# KiCad board minputer.kicad_pcb (continued)
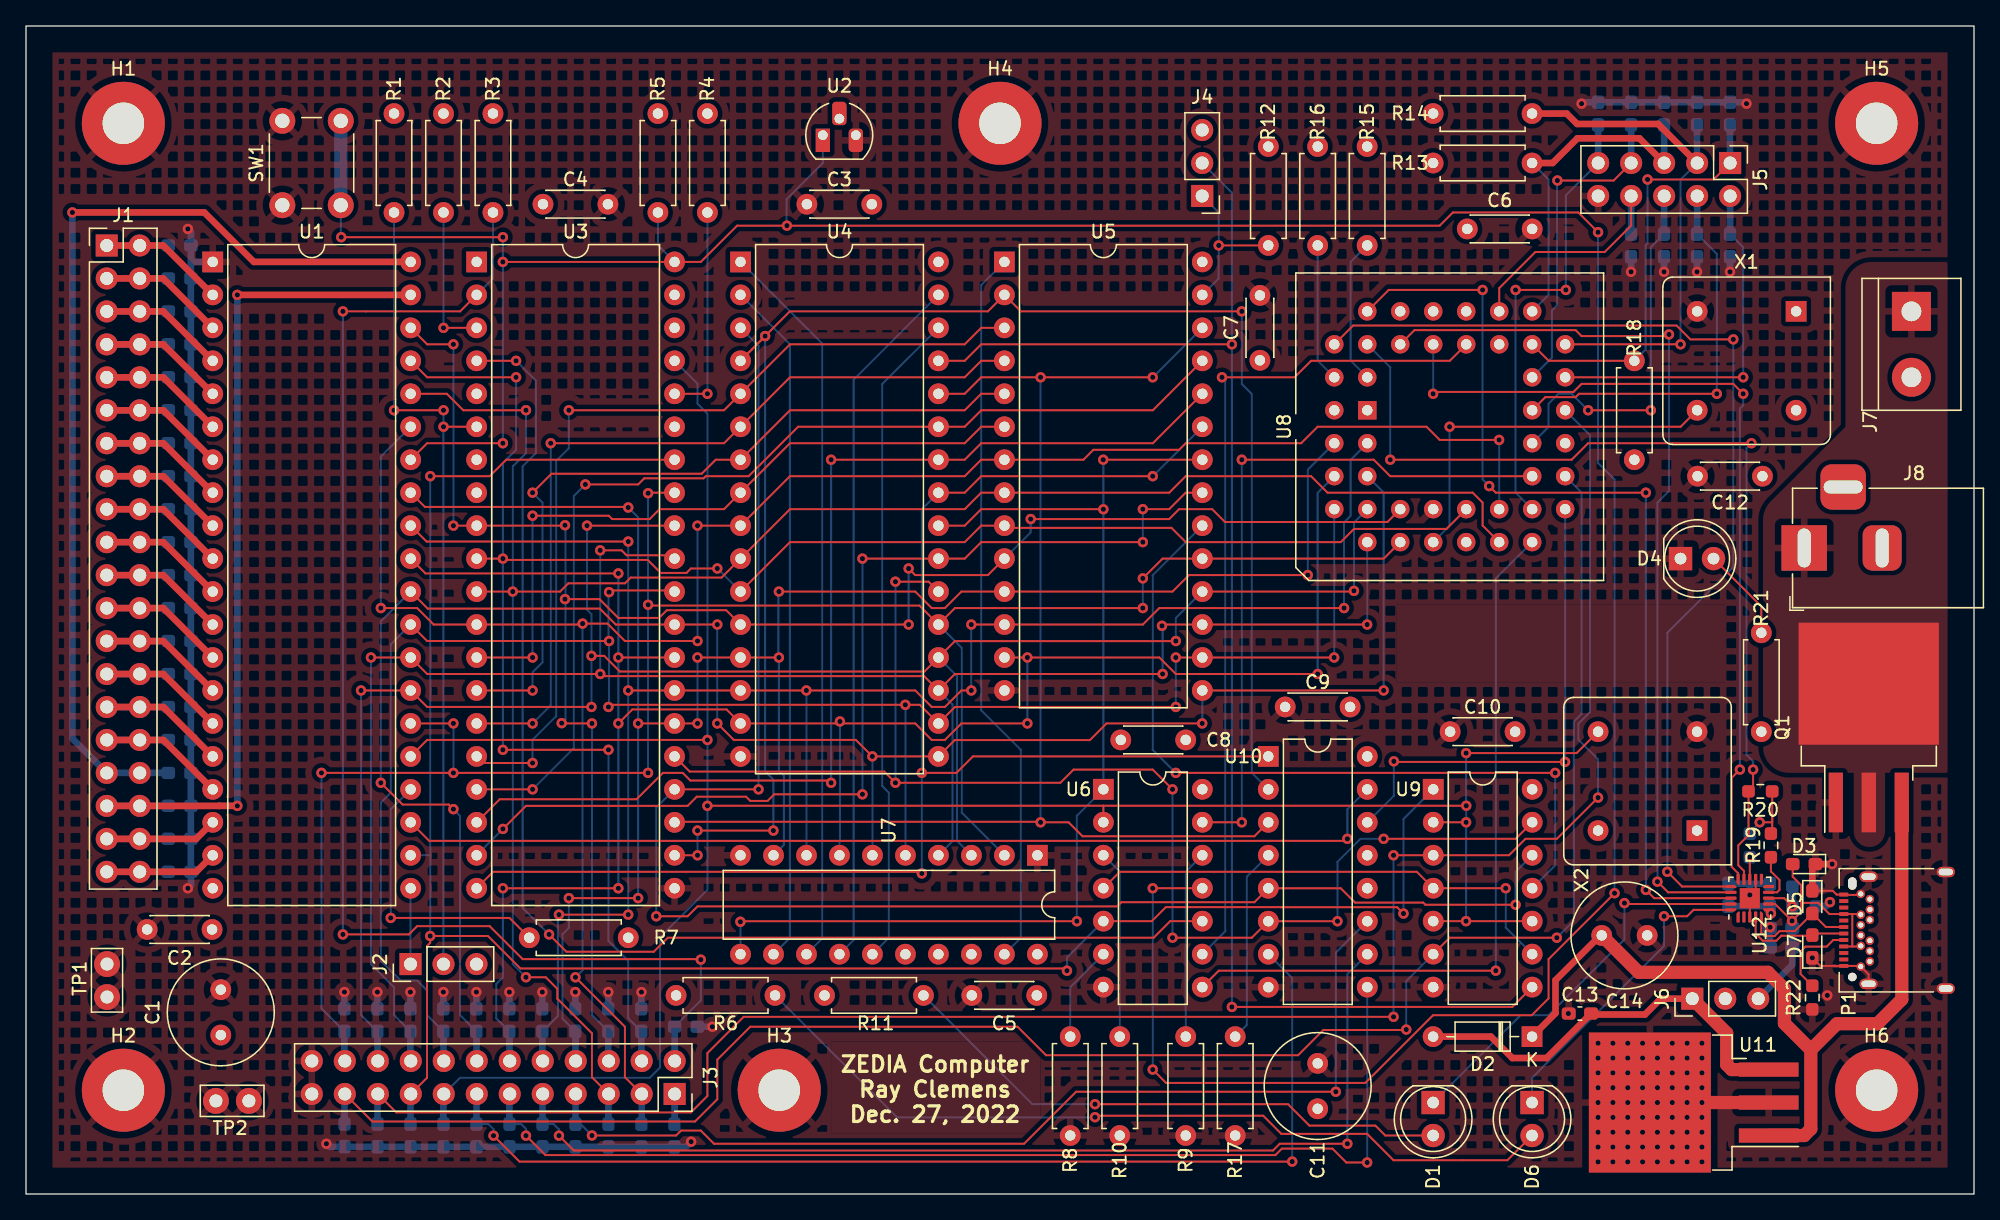
[diagram p0: board, top side]
## Nets
/3V3: C15.1 C17.1 U12.6
GND: C1.2 C2.2 C3.2 C4.2 C5.2 C6.2 C7.2 C8.2 C9.2 C10.2 C11.2 C12.2 C13.2 C14.2 C15.2 C16.2 C17.2 C18.2 D3.1 D4.1 D5.1 D7.1 D8.2 D9.2 D10.2 D11.2 D12.2 D13.2 D14.2 D15.2 D16.2 D17.1 D18.1 D19.1 D20.1 D21.1 D22.1 D23.1 D24.1 D25.1 D26.1 D27.1 D28.1 D29.1 D30.1 D31.1 D32.1 D33.1 D34.1 D35.1 D36.1 D37.1 D38.1 D39.1 D40.1 D41.1 D42.1 D43.1 D44.1 D45.1 D46.1 D47.1 D48.1 D49.1 D50.1 D51.1 D52.1 D53.1 D54.1 D55.1 D56.1 D57.1 D58.1 H1.1 H2.1 H3.1 H4.1 H5.1 H6.1 J3.23 J3.24 J5.10 J7.2 J8.2 P1.A1 P1.A12 P1.B1 P1.B12 P1.S1 Q1.1 R8.2 R9.2 R10.2 R17.2 R22.1 R23.2 SW1.1 TP1.1 TP2.1 U1.1 U2.3 U3.21 U4.16 U5.14 U6.7 U7.1 U7.10 U8.12 U8.22 U9.7 U10.8 U11.2 U12.3 U12.12 U12.21 X1.4 X2.4
VDD: C1.1 C2.1 C3.1 C4.1 C5.1 C6.1 C7.1 C8.1 C9.1 C10.1 C11.1 C12.1 D23.2 J3.1 J6.2 R1.1 R2.1 R3.1 R4.1 R5.1 R6.1 R7.1 R11.1 R12.1 R13.1 R14.1 R15.1 R16.1 R18.1 R19.1 R20.1 R21.1 R24.1 R25.1 U1.20 U2.2 U3.8 U4.32 U5.28 U6.14 U7.20 U8.33 U8.44 U9.14 U10.16 X1.8 X2.8
//RDY: D19.2 J3.2 R3.2 U3.2
/A0: D22.2 J3.6 U1.38 U3.9 U4.12 U5.10 U8.10
/A1: D20.2 J3.4 U1.37 U3.10 U4.11 U5.9 U8.14
/A2: D18.2 J3.5 U1.36 U3.11 U4.10 U5.8 U8.15
/A3: D21.2 J3.3 U1.35 U3.12 U4.9 U5.7 U8.16
/A4: U3.13 U4.8 U5.6
/A5: U3.14 U4.7 U5.5
/A6: U3.15 U4.6 U5.4
/A7: U3.16 U4.5 U5.3
/A8: U3.17 U4.27 U5.25
/A9: U3.18 U4.26 U5.24
/A10: U3.19 U4.23 U5.21
/A11: U3.20 U4.25 U5.23 U10.1
/A12: U3.22 U4.4 U5.2 U10.2
/A13: U3.23 U4.28 U5.26 U10.3
/A14: U3.24 U4.3 U9.12 U10.5
/A15: U3.25 U4.22 U9.13 U10.6
/AUXCSB0: D25.2 J3.7 U10.11
/AUXCSB1: D24.2 J3.9 U10.10
/AUXCSB2: D17.2 J3.11 U10.9
/AUXCSB3: D27.2 J3.13 U10.7
/B0: U4.2 U7.12
/B1: U4.1 U7.13
/B2: U4.31 U7.14
/B3: U4.30 U7.15
/B4: U7.16
/B5: U7.17
/B6: U7.18
/B7: U5.1 U7.19
/D0: D26.2 J3.8 U1.33 U3.26 U4.13 U5.11 U7.9 U8.2
/D1: D28.2 J3.10 U1.32 U3.27 U4.14 U5.12 U7.8 U8.3
/D2: D33.2 J3.12 U1.31 U3.28 U4.15 U5.13 U7.7 U8.4
/D3: D29.2 J3.14 U1.30 U3.29 U4.17 U5.15 U7.6 U8.5
/D4: D34.2 J3.16 U1.29 U3.30 U4.18 U5.16 U7.5 U8.6
/D5: D38.2 J3.18 U1.28 U3.31 U4.19 U5.17 U7.4 U8.7
/D6: D35.2 J3.20 U1.27 U3.32 U4.20 U5.18 U7.3 U8.8
/D7: D36.2 J3.22 U1.26 U3.33 U4.21 U5.19 U7.2 U8.9
/IO.CA1: D51.2 J1.33 J1.34 U1.40
/IO.CA2: D56.2 J1.35 J1.36 U1.39
/IO.CB1: D55.2 J1.37 J1.38 U1.18
/IO.CB2: D53.2 J1.39 J1.40 U1.19
/IO.PA0: D47.2 J1.1 J1.2 U1.2
/IO.PA1: D44.2 J1.3 J1.4 U1.3
/IO.PA2: D40.2 J1.5 J1.6 U1.4
/IO.PA3: D45.2 J1.7 J1.8 U1.5
/IO.PA4: D42.2 J1.9 J1.10 U1.6
/IO.PA5: D48.2 J1.11 J1.12 U1.7
/IO.PA6: D43.2 J1.13 J1.14 U1.8
/IO.PA7: D46.2 J1.15 J1.16 U1.9
/IO.PB0: D39.2 J1.17 J1.18 U1.10
/IO.PB1: D41.2 J1.19 J1.20 U1.11
/IO.PB2: D57.2 J1.21 J1.22 U1.12
/IO.PB3: D50.2 J1.23 J1.24 U1.13
/IO.PB4: D58.2 J1.25 J1.26 U1.14
/IO.PB5: D52.2 J1.27 J1.28 U1.15
/IO.PB6: D49.2 J1.29 J1.30 U1.16
/IO.PB7: D54.2 J1.31 J1.32 U1.17
/IRQB: U3.4 U6.10
/NMIB: J2.2 R1.2 U3.6
/PHI1: U4.24 U5.22 U6.1 U7.11
/PHI2: D30.2 J3.15 U1.25 U3.37 U6.2 U9.2 U9.5 U9.10 X2.5
/PWR_IN: J7.1 J8.1 Q1.2
/RBW: U6.4 U9.4 U9.9
/RDB: D31.2 J3.19 U8.24 U9.3
/RES: U6.13 U8.21
/RESB: R5.2 SW1.2 U1.34 U2.1 U3.40 U6.11
/RWB: D37.2 J3.17 U1.22 U3.34 U6.5 U9.1
/UARTCSB: U8.18 U10.14
/USB_D+: D7.2 P1.A6 U12.4
/USB_D-: D5.2 P1.A7 U12.5
/VIACSB: U1.23 U10.15
/WRB: D32.2 J3.21 U8.20 U9.6
/~{ROM_CS}: U5.20 U9.11
/~{WE}: J4.2 U4.29 U9.8
Net-(C14-Pad1): C16.1 C18.1 D3.2 J6.3 P1.A4 P1.A9 P1.B4 P1.B9 U12.7
Net-(D42-Pad1): D6.1 U12.20
Net-(D42-Pad2): D6.2 R6.2
Net-(D43-Pad1): D1.1 U12.19
Net-(D43-Pad2): D1.2 R11.2
Net-(D44-Pad1): D12.1 J5.1 R18.2 U8.30
Net-(D45-Pad1): D11.1 J5.3 R14.2 U8.28
Net-(D46-Pad1): D10.1 J5.5 R13.2 U8.29
Net-(D47-Pad1): D9.1 J5.7 U8.27
Net-(D48-Pad1): D8.1 J5.9 U8.19
Net-(D49-Pad2): D4.2 R21.2
Net-(D50-Pad1): D16.1 J5.8 U8.31
Net-(D51-Pad1): D13.1 J5.6 U8.23
Net-(D52-Pad1): D15.1 J5.4 U8.25
Net-(D53-Pad1): D14.1 J5.2 U8.26
Net-(J2-Pad1): J4.1 R12.2 U5.27
Net-(J3-Pad1): J2.1 U1.21
Net-(J6-Pad1): C13.1 D2.2 J6.1 U11.3
Net-(P1-PadA5): P1.A5 R22.2
Net-(R2-Pad1): R17.1 U10.4
Net-(R4-Pad2): R2.2 U3.3
Net-(R6-Pad2): R4.2 U3.36
Net-(R8-Pad1): R8.1 U6.6
Net-(R9-Pad1): R10.1 U6.3
Net-(R10-Pad2): R7.2 U1.24
Net-(R11-Pad1): R9.1 U6.12
Net-(R12-Pad2): R16.2 U8.42
Net-(R14-Pad2): R15.2 U8.43
Net-(R19-Pad2): R20.2 U8.41 U12.14
Net-(R20-Pad2): R24.2 U12.13
Net-(R21-Pad2): R19.2 U12.9
Net-(R23-Pad2): R23.1 R25.2 U12.8
Net-(U10-Pad11): U8.11 X1.5
Net-(U10-Pad17): U6.8 U8.17
Net-(U10-Pad34): U6.9 U8.34
Net-(U10-Pad36): U8.36 U12.15
Net-(U10-Pad38): U8.38 U12.17
Net-(U10-Pad39): U8.39 U12.18
Net-(U10-Pad40): U8.40 U12.16
Net-(U12-Pad1): C14.1 D2.1 Q1.3 U11.1

Pads without a net: J2 3; J4 3; J8 3; P1 A2 A3 A8 A10 A11 B2 B3 B5 B6 B7 B8 B10 B11; U3 1 5 7 35 38 39; U8 1 13 32 35 37; U10 12 13; U12 1 2 10 11; X1 1; X2 1

## Via types
v1: diameter 0.8, hole 0.4, Top to Bottom, 316 vias

## Routing (per net, layer and track width the routed paths; a pad name or vN(x,y) marks a point on that pad's centre or on a via; arc(x,y) is an arc through that point)
/3V3: length 4
  Top w0.152: v1(134.36,21.62) 134.18,21.8 U12.6
  Bottom w0.152: v1(134.36,21.62) 134.36,22.11
  Bottom w0.508: C17.1 C15.1
GND: length 142.2
  Top w0.152: P1.A12 139.42,23.07 139.13,23.36 D5.1 ; v1(137.55,18.2) 138.17,17.57 P1.A1 141.23,17.57 ; U12.12 133.18,23.5 ; 141.2,23.05 139.99,23.05 ; P1.B12 141.88,16.92 P1.S1 ; U12.3 v1(132.73,23.05) ; C13.2 v1(118.76,13.91)
  Top w0.508: v1(139.07,25.42) D3.1 137.55,25.18 D5.1
  Top w1.016: U11.2 U11.2
  Bottom w0.508: v1(12.47,74.36) 12.7,74.12 D47.1 D53.1 12.7,23.8 v1(12.47,23.56) ; D14.2 v1(131.21,71.06) ; v1(132.73,23.05) 132.73,23.81 132.63,23.91 ; v1(132.48,84.01) 132.37,84.12 D12.2 D8.2 119.89,84.12 v1(119.78,84.01) ; D34.1 v1(32.14,15.56) ; D38.1 v1(29.6,15.56) ; D35.1 v1(27.06,15.56) ; 132.63,23.91 C15.2 ; 132.63,23.91 C17.2 ; v1(23.13,3.88) 23.37,3.64 50.82,3.64 v1(51.22,4.03) ; D33.1 v1(37.22,15.56) ; D36.1 v1(24.52,15.56) ; 47.39,14.29 v1(47.39,15.56) ; D15.2 v1(128.67,71.06) ; D16.2 v1(123.59,71.06) ; D26.1 v1(42.3,15.56) ; D28.1 v1(39.76,15.56) ; C16.2 134.28,20.54 ; D29.1 v1(34.68,15.56) ; D13.2 v1(126.13,71.06) ; 12.95,71.82 U1.1 ; D19.1 v1(52.85,12.89) ; D22.1 v1(44.84,15.56)
  vias: v1(121.05,11.62) v1(121.05,10.48) v1(121.05,9.34) v1(121.05,8.19) v1(121.05,7.05) v1(121.05,5.91) v1(121.05,4.76) v1(121.05,3.62) v1(121.05,2.48) v1(122.19,11.62) v1(122.19,10.48) v1(122.19,9.34) v1(122.19,8.19) v1(122.19,7.05) v1(122.19,5.91) v1(122.19,4.76) v1(122.19,3.62) v1(122.19,2.48) v1(123.34,11.62) v1(123.34,10.48) v1(123.34,9.34) v1(123.34,8.19) v1(123.34,7.05) v1(123.34,5.91) v1(123.34,4.76) v1(123.34,3.62) v1(123.34,2.48) v1(124.48,11.62) v1(124.48,10.48) v1(124.48,9.34) v1(124.48,8.19) v1(124.48,7.05) v1(124.48,5.91) v1(124.48,4.76) v1(124.48,3.62) v1(124.48,2.48) v1(125.62,11.62) v1(125.62,10.48) v1(125.62,9.34) v1(125.62,8.19) v1(125.62,7.05) v1(125.62,5.91) v1(125.62,4.76) v1(125.62,3.62) v1(125.62,2.48) v1(126.76,11.62) v1(126.76,10.48) v1(126.76,9.34) v1(126.76,8.19) v1(126.76,7.05) v1(126.76,5.91) v1(126.76,4.76) v1(126.76,3.62) v1(126.76,2.48) v1(127.91,11.62) v1(127.91,10.48) v1(127.91,9.34) v1(127.91,8.19) v1(127.91,7.05) v1(127.91,5.91) v1(127.91,4.76) v1(127.91,3.62) v1(127.91,2.48) v1(129.05,11.62) v1(129.05,10.48) v1(129.05,9.34) v1(129.05,8.19) v1(129.05,7.05) v1(129.05,5.91) v1(129.05,4.76) v1(129.05,3.62) v1(129.05,2.48) v1(134.3,20.56) v1(138.7,15.31)
VDD: length 9.6
  Top w0.152: R20.1 134.46,29.33 ; 134.46,29.33 134.46,27.87 R19.1 ; 134.46,29.33 134.46,28.64 v1(133.5,28.64)
  Bottom w0.152: v1(133.5,28.64) 132.73,27.88 R24.1
  Bottom w0.508: J3.1 49.95,5.41 ; v1(138.91,22.49) 138.58,22.16 R25.1
//RDY: length 103.2
  Top w0.152: v1(51.96,18.06) 51.92,18.1 38.25,18.1 35.71,20.64 30.12,20.64 29.48,20 v1(24.4,20) ; v1(24.4,68.01) 33.43,68.01 U3.2
  Bottom w0.152: v1(24.4,68.01) v1(24.4,20) ; U3.2 35.96,70.54 R3.2 ; v1(51.96,18.06) 51.96,14.91 D19.2
  Bottom w0.508: J3.2 49.95,12.89 D19.2
/A0: length 144.4
  Top w0.152: U5.10 74.07,47.69 68.47,47.69 v1(67.96,48.2) ; v1(41.25,36.28) 41.27,36.26 v1(43.58,36.26) ; U1.38 30.89,65.47 v1(32.91,65.47) ; U8.10 104.83,51.78 92.32,51.78 91.33,52.77 88.79,52.77 88.03,52.01 v1(77.36,52.01) ; v1(67.96,43.88) U4.12 53.91,44.99 49.35,44.99 48.75,44.39 45.61,44.39 44.16,45.84 v1(41.5,45.84) ; v1(32.91,51.5) U3.9 41.47,51.5 v1(41.5,51.53)
  Bottom w0.152: v1(43.58,36.26) 43.58,13.79 D22.2 ; v1(41.5,51.53) 41.55,51.49 41.55,45.88 v1(41.5,45.84) 41.55,45.79 41.55,36.58 v1(41.25,36.28) ; v1(77.36,52.01) 77.36,50.98 U5.10 ; v1(67.96,43.88) v1(67.96,48.2) ; v1(32.91,51.5) v1(32.91,65.47)
  Bottom w0.508: D22.2 44.84,10.24
/A1: length 151.9
  Top w0.152: U4.11 58.83,50.23 72.28,50.23 73.55,51.5 U5.9 ; U3.10 v1(36.72,48.96) 36.82,48.86 47.87,48.86 48.88,47.85 50.86,47.85 51.2,48.2 v1(53.23,48.2) ; v1(37.74,62.93) 30.89,62.93 U1.37 ; U8.14 109.38,51.25 102.25,51.25 101.24,50.23 89.3,50.23 88.2,51.33 75.51,51.33 ; v1(44.85,34.23) v1(36.72,34.23)
  Bottom w0.152: v1(44.85,34.23) 44.85,19.5 46.37,17.97 46.37,13.54 D20.2 ; v1(53.23,48.2) 53.24,48.2 U4.11 ; v1(36.72,34.23) v1(36.72,48.96) 36.72,56.33 37.74,57.34 v1(37.74,62.93)
  Bottom w0.508: 47.39,10.23 47.39,12.52
/A2: length 154.3
  Top w0.152: v1(38.5,60.39) 33.67,60.39 32.4,61.66 U1.36 ; U3.11 v1(37.48,46.42) 41.13,46.42 41.76,47.06 46.12,47.06 46.56,47.5 53.56,47.5 U4.10 58.83,52.77 72.28,52.77 73.55,54.04 U5.8 88.03,54.04 89.3,55.31 98.95,55.31 100.22,54.04 111.4,54.04 112.16,53.28 112.16,51.51 U8.15 ; v1(38.5,16.7) 40.02,16.7 40.91,15.81 40.91,15.05 43.58,12.38 43.58,9 J3.5
  Bottom w0.152: v1(38.5,16.7) 37.48,17.72 v1(37.48,46.42) 37.48,56.07 38.5,57.09 v1(38.5,60.39)
  Bottom w0.508: 44.85,7.69 44.85,5.4
/A3: length 160.8
  Top w0.152: v1(42.31,16.7) 46.12,12.89 46.12,9 J3.3 ; v1(51.71,42.61) 46.12,42.61 44.78,43.95 v1(42.86,43.95) 42.79,43.88 U3.12 31.39,43.88 30.12,45.15 v1(27.32,45.15) ; v1(51.71,51.5) U4.9 58.83,55.31 72.28,55.31 73.55,56.58 U5.7 81.43,56.58 82.19,57.34 88.79,57.34 89.3,57.85 98.19,57.85 99.46,59.12 107.84,59.12 108.86,58.1 v1(113.43,58.1)
  Bottom w0.152: v1(51.71,51.5) v1(51.71,42.61) ; U8.16 113.44,58.09 v1(113.43,58.1) ; U1.35 27.32,56.82 v1(27.32,45.15) ; v1(42.31,16.7) 42.86,17.25 v1(42.86,43.95)
  Bottom w0.508: J3.3 47.41,5.42
/A4: length 54.6
  Top w0.152: U3.13 v1(39.01,41.34) ; v1(39.01,52.26) 44.88,52.26 45.13,52.01 48.03,52.01 48.79,52.77 53.75,52.77 U4.8 58.83,57.85 72.28,57.85 73.55,59.12 U5.6
  Bottom w0.152: v1(39.01,41.34) v1(39.01,52.26)
/A5: length 59.7
  Top w0.152: U5.5 73.55,61.66 72.28,60.39 58.83,60.39 U4.7 53.11,56.58 52.03,55.5 40.47,55.5 v1(39.01,54.04) ; U3.14 v1(39.01,38.8)
  Bottom w0.152: v1(39.01,38.8) 39.01,40.2 39.77,40.96 39.77,53.28 v1(39.01,54.04)
/A6: length 64
  Top w0.152: U5.4 73.55,64.2 72.28,62.93 58.83,62.93 U4.6 53.75,57.85 v1(40.41,57.85) ; U3.15 v1(39.01,36.26)
  Bottom w0.152: v1(39.01,36.26) 40.41,37.66 v1(40.41,57.85)
/A7: length 68.3
  Top w0.152: 35.21,33.21 v1(39.01,33.21) ; v1(41.8,60.39) 53.75,60.39 U4.5 58.83,65.47 72.28,65.47 73.55,66.74 U5.3
  Bottom w0.152: v1(39.01,33.21) 39.01,35 40.83,36.82 40.83,56.49 41.8,57.47 v1(41.8,60.39)
/A8: length 80.9
  Top w0.152: v1(43.07,54.67) 47.14,54.67 47.61,55.15 52.18,55.15 52.34,55.31 55.64,55.31 59.45,59.12 U4.27 72.28,59.12 73.55,60.39 86.77,60.39 U5.25 ; U3.17 v1(39.01,31.18)
  Bottom w0.152: v1(39.01,31.18) 42.18,34.36 42.18,53.79 v1(43.07,54.67)
/A9: length 84.8
  Top w0.152: U5.24 86.77,57.85 73.55,57.85 72.28,56.58 U4.26 v1(62,56.58) ; U3.18 36.48,30.42 47.01,30.42 49.04,32.45 50.56,32.45 51.16,31.86 61.82,31.86 v1(62,31.69)
  Bottom w0.152: v1(62,31.69) v1(62,56.58)
/A10: length 79.9
  Top w0.152: v1(64.41,48.96) U4.23 72.29,48.96 73.56,50.23 v1(86,50.23) ; v1(36.72,28.13) 38.5,29.91 50.95,29.91 51.65,30.62 55.45,30.62 55.77,30.29 57.11,30.29 57.61,30.8 v1(64.41,30.8) ; v1(86,52.77) 88.03,52.77 89.3,54.04 U5.21
  Bottom w0.152: U3.19 36.72,28.12 v1(36.72,28.13) ; v1(86,52.77) v1(86,50.23) ; v1(64.41,48.96) v1(64.41,30.8)
/A11: length 114.4
  Top w0.152: U4.25 72.28,54.04 73.55,55.31 v1(86.76,55.31) ; v1(68.98,24.7) 68.85,24.83 35.97,24.83 U3.20 ; v1(68.98,32.45) 71.65,32.45 72.92,33.72 U10.1
  Bottom w0.152: U5.23 86.77,55.31 v1(86.76,55.31) ; U4.25 68.98,52.76 v1(68.98,32.45) v1(68.98,24.7)
/A12: length 129.5
  Top w0.152: U4.4 56.92,66.09 v1(56.92,66.1) ; 55.02,64.21 58.82,68.01 74.07,68.01 U5.2 76.61,68.01 v1(93.62,68.01) ; U3.22 v1(51.71,26.1) ; v1(51.71,28) v1(57.55,28)
  Bottom w0.152: v1(57.55,28) 57.55,31.94 56.92,32.57 v1(56.92,66.1) ; U10.2 94.38,32.46 94.38,61.66 93.62,62.42 v1(93.62,68.01) ; v1(51.71,26.1) v1(51.71,28)
/A13: length 103.3
  Top w0.152: U10.3 94.59,27.57 81.36,27.57 80.28,28.64 v1(78.12,28.64) 78.08,28.68 49.98,28.68 ; v1(86.76,62.93) 73.55,62.93 72.28,61.66 U4.28
  Bottom w0.152: U5.26 86.77,62.93 v1(86.76,62.93) ; v1(78.12,62.93) v1(78.12,28.64)
/A14: length 124.9
  Top w0.152: U3.24 v1(56.41,31.18) ; v1(114.7,22.29) 107.75,22.29 107.59,22.45 102.34,22.45 101.24,23.56 U10.5 94.59,22.49 84.35,22.49 84.02,22.16 51.71,22.16 50.95,21.4 v1(48.53,21.4)
  Bottom w0.152: U3.24 48.53,29.77 v1(48.53,21.4) ; v1(114.7,22.29) 114.7,24.83 U9.12 ; v1(56.41,31.18) 56.41,65.35 U4.3
/A15: length 104.8
  Top w0.152: v1(66.95,47.18) 69.5,47.18 U4.22 ; U9.13 114.71,27.37 v1(104.54,27.37) ; v1(88.28,31.18) 86.76,32.7 80.66,32.7 79.65,31.69 v1(66.95,31.69) 66.08,32.55 51.11,32.55 U3.25 ; v1(100.98,21.02) U10.6 94.39,19.75 v1(88.28,19.75)
  Bottom w0.152: v1(104.54,27.37) 102.76,27.37 100.98,25.59 v1(100.98,21.02) ; v1(88.28,19.75) v1(88.28,31.18) ; v1(66.95,31.69) v1(66.95,47.18)
/AUXCSB0: length 77.6
  Top w0.152: v1(100.86,7.88) 80.86,7.88 76.85,3.88 52.98,3.88 51.96,4.89 50.44,4.89 50.06,4.51 v1(43.58,4.51)
  Bottom w0.152: v1(43.58,4.51) 42.7,5.39 D25.2 ; v1(100.86,7.88) 100.86,18.6 U10.11
  Bottom w0.508: D25.2 42.31,7.69
/AUXCSB1: length 80.9
  Top w0.152: v1(41.04,4.5) 42.18,3.36 96.02,3.36 96.54,3.88 v1(101.75,3.88)
  Bottom w0.152: v1(101.75,3.88) 101.75,16.95 U10.10 ; v1(41.04,4.5) 41.04,4.98 40.63,5.39 39.76,5.39
  Bottom w0.508: 39.77,7.69 39.77,5.4
/AUXCSB2: length 83.8
  Top w0.152: v1(103.27,2.43) 101.67,2.43 100.6,3.5 96.7,3.5 96.2,3 40,3 v1(38.5,4.5)
  Bottom w0.152: U10.9 103.28,2.44 v1(103.27,2.43) ; D17.2 38.13,5.39 38.5,5.02 v1(38.5,4.5)
  Bottom w0.508: 37.22,5.39 37.22,7.68
/AUXCSB3: length 83.3
  Top w0.152: v1(97.5,2.5) 38,2.5 v1(36,4.5)
  Bottom w0.152: v1(97.5,2.5) 97.5,16.64 U10.7 ; v1(36,4.5) 36,5 35.61,5.39 D27.2
  Bottom w0.508: D27.2 34.69,7.69
/B0: length 52.9
  Bottom w0.152: U4.2 58.82,65.48 58.82,19.74 U7.12
/B1: length 56.5
  Bottom w0.152: U7.13 61.32,19.7 61.32,65.52 U4.1
/B2: length 54
  Bottom w0.152: U4.31 63.73,62.75 63.73,19.57 U7.14
/B3: length 50.8
  Bottom w0.152: U7.15 66.44,19.74 66.44,30.93 65.93,31.43 65.93,62.41 U4.30
/B7: length 55.9
  Bottom w0.152: U5.1 73.55,70.03 73.55,37.28 76.6,34.23 76.6,19.74 U7.19
/D0: length 156.2
  Top w0.152: v1(51.71,41.34) U4.13 v1(57.97,41.34) ; v1(98.7,47.69) 89.55,47.69 88.28,46.42 U5.11 72.03,46.42 70.76,45.15 69.74,45.15 68.47,46.42 v1(57.97,46.42) ; v1(46.37,52.9) 46.33,52.94 30.72,52.94 U1.33 ; v1(47.14,36.26) U3.26 v1(51.71,36.26) ; v1(41.8,22.8) v1(47.14,22.8)
  Bottom w0.152: v1(98.7,47.69) 98.7,55.81 U8.2 ; D26.2 41.31,13.52 41.31,20.02 41.8,20.51 v1(41.8,22.8) ; U7.9 58.36,26.9 58.36,32.23 57.97,32.62 v1(57.97,41.34) 57.93,41.38 57.93,46.38 v1(57.97,46.42) ; v1(51.71,36.26) v1(51.71,41.34) ; v1(46.37,52.9) 47.14,52.13 v1(47.14,36.26) v1(47.14,22.8)
  Bottom w0.508: 42.31,10.23 42.31,12.52
/D1: length 151.1
  Top w0.152: v1(101.49,45.15) 87.27,45.15 86,43.88 U5.12 v1(72.79,43.88) ; v1(72.79,38.8) 72.03,38.8 70.76,37.53 69.74,37.53 68.47,38.8 v1(60.09,38.8) U4.14 U3.27 v1(46.37,38.8) ; U1.32 30.85,50.27 v1(46.37,50.27) ; v1(46.37,21.53) v1(41.04,21.53)
  Bottom w0.152: v1(46.37,50.27) v1(46.37,38.8) v1(46.37,21.53) ; v1(101.49,45.15) 101.49,51.75 102,52.26 102,56.57 U8.3 ; v1(60.09,38.8) 60.1,38.79 U7.8 ; v1(72.79,38.8) v1(72.79,43.88) ; v1(41.04,21.53) 40.96,21.44 40.96,13.71 39.77,12.53
  Bottom w0.508: D28.2 39.76,10.24
/D2: length 157.3
  Top w0.152: v1(45.61,23.56) v1(36.72,23.56) ; v1(45.61,36.26) 46.69,37.34 53.94,37.34 U4.15 62.52,36.26 v1(62.67,36.41) 62.82,36.26 68.47,36.26 69.74,34.99 70.76,34.99 72.03,36.26 v1(77.11,36.26) ; U3.28 v1(45.61,41.34) ; U5.13 v1(77.11,41.34) 87.27,41.34 88.54,40.07 v1(99.46,40.07) ; v1(45.61,47.82) 30.76,47.82 U1.31
  Bottom w0.152: v1(77.11,36.26) v1(77.11,41.34) ; D33.2 36.21,13.54 36.21,16.19 36.72,16.7 v1(36.72,23.56) ; v1(62.67,36.41) 62.67,27.27 62.64,27.23 U7.7 ; U8.4 99.46,54.03 v1(99.46,40.07) ; v1(45.61,47.82) v1(45.61,41.34) v1(45.61,36.26) v1(45.61,23.56)
  Bottom w0.508: 37.23,10.23 37.23,12.52
/D3: length 155.1
  Top w0.152: v1(32.91,29.66) 32.56,30.01 29,30.01 v1(27.32,31.69) ; v1(90.57,36.26) 83.2,36.26 81.92,34.98 71.52,34.98 U4.17 v1(65.17,33.72) 63.9,34.99 54.5,34.99 v1(53.23,36.26) ; v1(53.23,43.88) U3.29 45.41,43.88 44.19,45.11 30.93,45.11 U1.30 ; U5.15 v1(104.54,38.8)
  Bottom w0.152: D29.2 33.42,13.79 33.42,29.15 v1(32.91,29.66) ; U1.30 27.32,44.12 v1(27.32,31.69) ; v1(104.54,38.8) 104.54,54.05 U8.5 ; v1(53.23,43.88) v1(53.23,36.26) ; v1(65.17,33.72) 65.18,33.71 U7.6 ; v1(90.57,36.26) 90.58,36.27 U5.15
  Bottom w0.508: 34.69,10.23 34.69,12.52
/D4: length 151
  Top w0.152: v1(44.9,46.38) 45.03,46.51 49.85,46.51 ; v1(100.73,41.34) U5.16 v1(88.54,41.34) ; U1.29 30.89,42.61 v1(44.9,42.61) ; v1(88.54,37.53) 71.53,37.53 U4.18 68.83,37.69 v1(67.71,37.69) 45.01,37.69 v1(44.85,37.53)
  Bottom w0.152: v1(100.73,41.34) 100.74,41.35 U8.6 ; v1(44.9,46.38) 44.85,46.33 44.85,42.66 v1(44.9,42.61) 44.9,37.58 v1(44.85,37.53) ; v1(67.71,37.69) 67.72,37.68 U7.5 ; D34.2 30.88,13.79 30.88,15.69 30.12,16.45 28.85,16.45 27.32,17.97 27.32,30.16 28.09,30.93 28.09,42.35 U1.29 ; v1(88.54,37.53) v1(88.54,41.34)
  Bottom w0.508: 32.15,10.23 32.15,12.52
/D5: length 149.6
  Top w0.152: v1(44.22,49.59) 45.87,49.59 46.25,49.21 49.69,49.21 ; v1(103.27,43.88) U5.17 87.57,43.88 v1(87.47,43.78) ; v1(87.52,40.07) 71.53,40.07 U4.19 69.15,39.91 44.38,39.91 v1(44.22,40.07) 30.89,40.07 U1.28 v1(26.56,41.34)
  Bottom w0.152: U4.19 71.34,37.72 71.34,27.18 U7.4 ; v1(44.22,49.59) 44.22,49.59 v1(44.22,40.07) ; D38.2 28.34,13.79 28.34,15.94 26.56,17.72 v1(26.56,41.34) ; v1(87.47,43.78) 87.52,43.73 v1(87.52,40.07) ; v1(103.27,43.88) 103.28,43.89 U8.7
  Bottom w0.508: D38.2 29.6,10.24
/D6: length 154
  Top w0.152: U3.32 v1(43.2,51.5) ; v1(25.8,38.8) U1.27 30.89,37.53 v1(43.54,37.53) ; U5.18 102.2,46.42 v1(102.25,46.48) ; v1(43.54,41.47) 44.52,41.47 45.73,40.26 69.18,40.26 U4.20 71.52,42.6 88.53,42.6 v1(88.54,42.61)
  Bottom w0.152: U4.20 71.69,39.91 71.69,27.21 U7.3 ; v1(25.8,38.8) 25.8,13.79 D35.2 ; U5.18 88.54,44.38 v1(88.54,42.61) ; U8.8 102.25,51.74 v1(102.25,46.48) ; v1(43.2,51.5) 43.2,45.02 43.54,44.68 v1(43.54,41.47) v1(43.54,37.53)
  Bottom w0.508: 27.07,10.23 27.07,12.52
/D7: length 161.2
  Top w0.152: v1(47.9,32.45) v1(32.91,32.45) v1(22.75,32.45) ; U8.9 104.55,48.96 U5.19 87.52,48.96 v1(86,47.44) ; v1(47.9,45.4) 47.97,45.34 68.8,45.34 U4.21 71.53,45.15 v1(86,45.15) ; v1(47.9,54) 47.95,54.04 U3.33 ; U1.26 v1(32.91,36.26)
  Bottom w0.152: D36.2 22.75,14.3 v1(22.75,32.45) ; v1(32.91,36.26) v1(32.91,32.45) ; U7.2 72.05,29.39 72.05,42.09 U4.21 ; v1(86,45.15) v1(86,47.44) ; v1(47.9,54) 47.9,53.99 47.9,45.41 v1(47.9,45.4) 47.9,45.4 v1(47.9,32.45)
  Bottom w0.508: D36.2 24.52,10.24
/IO.CA1: length 76.6
  Top w0.508: U1.40 17.55,71.82 13.73,75.63 v1(3.57,75.63)
  Bottom w0.508: 10.95,32.44 J1.33 3.57,35.09 v1(3.57,75.63)
/IO.CA2: length 67.5
  Top w0.508: v1(16.27,69.28) U1.39 ; v1(16.27,29.91) 14.88,29.91 14.88,29.91 J1.35
  Bottom w0.508: v1(16.27,29.91) v1(16.27,69.28) ; D56.2 6.23,29.91
/IO.CB1: length 13.4
  Top w0.508: U1.18 13.1,27.36 6.22,27.36
  Bottom w0.508: 6.22,27.36 10.95,27.36
/IO.CB2: length 13.4
  Top w0.508: J1.39 13.1,24.83 U1.19
  Bottom w0.508: D53.2 6.23,24.83
/IO.PA0: length 14.5
  Top w0.508: U1.2 10.58,73.09 J1.1
  Bottom w0.508: D47.2 6.23,73.09
/IO.PA1: length 14.5
  Top w0.508: J1.3 10.58,70.55 U1.3
  Bottom w0.508: J1.3 10.95,70.55
/IO.PA2: length 14.5
  Top w0.508: J1.5 10.58,68 U1.4
  Bottom w0.508: D40.2 6.23,68.01
/IO.PA3: length 14.5
  Top w0.508: J1.7 10.58,65.47 U1.5
  Bottom w0.508: J1.7 10.95,65.47
/IO.PA4: length 14.5
  Top w0.508: U1.6 10.58,62.92 J1.9
  Bottom w0.508: D42.2 6.23,62.93
/IO.PA5: length 14.5
  Top w0.508: U1.7 10.58,60.38 6.22,60.38
  Bottom w0.508: 6.22,60.38 10.95,60.38
/IO.PA6: length 14.5
  Top w0.508: J1.13 10.58,57.84 U1.8
  Bottom w0.508: D43.2 6.23,57.85
/IO.PA7: length 14.5
  Top w0.508: J1.15 10.58,55.3 U1.9
  Bottom w0.508: J1.15 10.95,55.3
/IO.PB0: length 14.5
  Top w0.508: J1.17 10.58,52.77 U1.10
  Bottom w0.508: J1.17 10.95,52.77
/IO.PB1: length 14.5
  Top w0.508: U1.11 10.58,50.22 J1.19
  Bottom w0.508: D41.2 6.23,50.23
/IO.PB2: length 14.5
  Top w0.508: J1.21 10.58,47.69 U1.12
  Bottom w0.508: J1.21 10.95,47.69
/IO.PB3: length 14.5
  Top w0.508: U1.13 10.58,45.14 J1.23
  Bottom w0.508: D50.2 6.23,45.15
/IO.PB4: length 14.5
  Top w0.508: J1.25 10.58,42.61 U1.14
  Bottom w0.508: D58.2 6.23,42.61
/IO.PB5: length 14.5
  Top w0.508: J1.27 10.58,40.06 U1.15
  Bottom w0.508: J1.27 10.95,40.06
/IO.PB6: length 14.5
  Top w0.508: U1.16 10.58,37.53 J1.29
  Bottom w0.508: J1.29 10.95,37.53
/IO.PB7: length 14.5
  Top w0.508: U1.17 10.58,34.98 J1.31
  Bottom w0.508: D54.2 6.23,34.99
/IRQB: length 101
  Top w0.152: U6.10 88.11,21.03 86.83,19.75 49.42,19.75 48.34,18.67 41.61,18.67 v1(40.28,20) ; v1(37.74,64.2) U3.4
  Bottom w0.152: v1(37.74,64.2) 39.26,62.68 39.26,57.09 38.25,56.07 38.25,22.04 v1(40.28,20)
/NMIB: length 64.1
  Top w0.152: v1(28.34,60.39) v1(32.15,60.39) ; v1(32.15,59.12) U3.6
  Bottom w0.152: R1.2 v1(28.34,60.39) ; 32.14,17.85 32.14,59.11 v1(32.15,59.12) v1(32.15,60.39)
/PHI1: length 85.7
  Top w0.152: v1(82.96,52.76) 82.95,52.77 73.55,52.77 72.28,51.5 U4.24 ; v1(82.95,56.58) U5.22 ; v1(55.01,20.98) 55.05,21.02 v1(80.92,21.02)
  Bottom w0.152: U7.11 55.02,20.97 v1(55.01,20.98) ; v1(80.92,21.02) 80.92,29.14 U6.1 v1(82.96,52.76) 82.96,56.57 v1(82.95,56.58)
/PHI2: length 193.8
  Top w0.152: U9.5 v1(110.88,21.03) U9.10 ; v1(52.47,29.91) 52.48,29.92 82.96,29.92 ; X2.5 119.4,33.97 v1(110.89,33.97) ; U1.25 30.89,34.99 v1(52.47,34.99) ; v1(110.9,29.92) 82.96,29.92 ; 82.96,29.92 U6.2 ; U9.2 110.88,28.64 v1(110.89,28.64)
  Bottom w0.152: U3.37 51.71,62.43 51.71,60.9 52.47,60.14 v1(52.47,34.99) v1(52.47,29.91) 52.47,23.43 48.82,19.78 48.82,9.75 48.03,8.95 33.41,8.95 J3.15 ; v1(110.89,33.97) 110.89,29.93 v1(110.9,29.92) 110.9,28.65 v1(110.89,28.64) 110.89,21.02 v1(110.88,21.03)
  Bottom w0.508: 32.14,5.39 32.14,7.68
/RBW: length 37.9
  Top w0.152: U6.4 84.22,24.83 107.09,24.83 U9.4 113.93,23.56 v1(113.94,23.56)
  Bottom w0.152: v1(113.94,23.56) 113.94,20.53 U9.9
/RDB: length 147
  Top w0.152: v1(105.3,13.65) 55.26,13.65 52.47,10.86 52.47,7.56 51.2,6.29 28.51,6.29 J3.19 ; v1(121.05,30.55) 117.88,27.37 115.46,27.37 114.2,26.11 U9.3 105.31,26.11 v1(105.3,26.1)
  Bottom w0.152: 119.02,59.88 120.43,58.47 120.43,37.13 119.54,36.25 119.54,35 121.05,33.49 v1(121.05,30.55) ; v1(105.3,26.1) v1(105.3,13.65)
  Bottom w0.508: D31.2 27.07,7.69
/RES: length 53.9
  Top w0.152: U8.21 105.05,55.31 103.78,56.58 v1(93.62,56.58) ; U6.13 93.61,28.64 v1(93.62,28.64)
  Bottom w0.152: v1(93.62,28.64) v1(93.62,56.58)
/RESB: length 257
  Top w0.152: v1(122.32,23.18) 117.24,18.1 117.24,15.07 115.95,13.78 108.35,13.78 103.13,8.56 87.79,8.56 v1(86.76,9.59) ; v1(24.28,73.72) v1(36.72,73.72) ; U6.11 86.77,23.56 v1(86.76,23.56) ; U1.34 30.89,57.85 v1(36.72,57.85) ; v1(121.05,74.11) 119.53,75.63 109.87,75.63 108.86,74.61 54.76,74.61 51.96,71.82 U3.40 v1(36.72,71.82)
  Bottom w0.152: SW1.2 24.24,73.76 v1(24.28,73.72) ; v1(36.72,57.85) v1(36.72,71.82) v1(36.72,73.72) ; v1(121.05,74.11) 121.05,56.33 122.32,55.06 v1(122.32,23.18) ; U2.1 61.36,79.44 58.57,76.65 58.57,74.64 v1(58.59,74.61) ; U3.40 48.66,73.1 R5.2 ; v1(86.76,23.56) v1(86.76,9.59)
  Bottom w1.016: SW1.2 SW1.2
/RWB: length 160.8
  Top w0.152: v1(31.13,55.31) 35.71,55.31 36.98,56.58 U3.34 ; v1(106.07,21.61) 105.58,22.1 96.62,22.1 96.61,22.11 87.77,22.11 86.69,21.03 U6.5 ; v1(80.16,17.21) 79.99,17.38 38.08,17.38 35.57,19.88 v1(31.12,19.88) 31.12,19.36 30.88,19.11 30.88,8.96 J3.17
  Bottom w0.152: v1(80.16,17.21) 80.16,18.22 U6.5 ; 31.13,26.1 U1.22 ; 31.13,26.1 v1(31.13,55.31) ; 31.13,26.1 31.13,19.89 v1(31.12,19.88) ; U9.1 106.07,28.89 v1(106.07,21.61)
  Bottom w0.508: 29.61,7.69 29.61,5.4
/UARTCSB: length 38.2
  Top w0.152: v1(105.33,33.34) 105.37,33.3 v1(118.51,33.3)
  Bottom w0.152: U8.18 118.52,33.31 v1(118.51,33.3) ; U10.14 105.33,30.69 v1(105.33,33.34)
/USB_D+: length 8.3
  Top w0.152: P1.A6 137.67,20.07 ; 137.5,19.9 135.17,19.9 134.79,19.52 133.73,19.52 133.18,20.07 U12.4
/USB_D-: length 8.8
  Top w0.152: P1.A7 138.59,20.57 D5.2 136.19,20.26 135.02,20.26 134.64,19.88 133.88,19.88 133.62,20.13 133.62,21.34
/VIACSB: length 77.2
  Top w0.152: U1.23 31.05,27.21 101.59,27.21 v1(101.75,27.37)
  Bottom w0.152: v1(101.75,27.37) 101.75,29.65 U10.15
/WRB: length 145
  Top w0.152: U9.6 109.62,19.75 v1(117.87,19.75) ; v1(106.28,12.67) 106.25,12.64 99.9,12.64 97.95,10.69 78.54,10.69 76.35,12.89 55.77,12.89 53.23,10.35 53.23,7.3 51.52,5.59 26.67,5.59 J3.21
  Bottom w0.152: v1(117.87,19.75) 119.19,21.06 119.19,36.4 119.78,36.99 119.78,54.05 U8.20 ; v1(106.28,12.67) 106.28,16.41 U9.6
  Bottom w0.508: D32.2 24.53,7.69
/~{ROM_CS}: length 60.2
  Top w0.152: v1(117.75,32.45) v1(88.54,32.45)
  Bottom w0.152: v1(88.54,32.45) 86.76,34.23 86.76,47.68 U5.20 ; U9.11 117.75,25.33 v1(117.75,32.45)
/~{WE}: length 112.9
  Top w0.152: v1(92.86,65.47) 73.55,65.47 72.28,64.2 U4.29 ; 115.98,15.94 114.45,14.42 v1(92.86,14.42)
  Bottom w0.152: v1(92.86,14.42) v1(92.86,65.47) 92.86,77.15 J4.2
Net-(C14-Pad1): length 23
  Top w0.152: D3.2 136.04,24.45 136.69,23.8 136.69,22.44 ; 136.69,22.44 136.69,21.75 v1(135.98,21.04) 134.68,22.35 U12.7 ; 136.69,22.44 138,22.44 138.86,21.57 P1.A9 140.63,21.57 ; 140.63,21.57 141.23,21.57 ; 140.63,21.57 140.63,19.08 140.62,19.07 ; 140.62,19.07 141.23,19.07 ; 140.62,19.07 P1.A4
  Bottom w0.508: v1(135.98,21.04) 136.01,21.02 C16.1 136.01,17.68 J6.3
Net-(D42-Pad1): length 23.9
  Top w0.152: U12.20 128.4,21.9 127.91,21.4 v1(126.13,21.4)
  Bottom w0.152: D6.1 115.97,8.95 126.13,19.11 v1(126.13,21.4)
Net-(D42-Pad2): length 64.4
  Top w0.152: D6.2 114.06,2.61 105.3,2.61 103.27,4.64 96.67,4.64 95.27,6.03 82.43,6.03 v1(82.31,5.92)
  Bottom w0.152: R6.2 67.08,5.91 82.3,5.91 v1(82.31,5.92)
Net-(D43-Pad1): length 31
  Top w0.152: U12.19 123.15,22.35 v1(123.08,22.42)
  Bottom w0.152: D1.1 115.08,13.78 117.24,13.78 123.08,19.62 v1(123.08,22.42)
Net-(D43-Pad2): length 43.7
  Top w0.152: D1.2 104.67,4.51 103.91,5.27 98.83,5.27 97.17,6.92 v1(82.31,6.92)
  Bottom w0.152: R11.2 77.49,6.92 v1(82.31,6.92)
Net-(D44-Pad1): length 32.6
  Top w0.152: v1(124.86,78.17) 129.95,78.17 J5.1 ; U8.30 117.25,64.2 R18.2
  Bottom w0.152: v1(124.86,78.17) 124.86,73.26 124.71,73.11 124.71,65.07 R18.2
  Bottom w0.508: D12.1 131.21,79.45
Net-(D45-Pad1): length 40.6
  Top w0.152: U8.28 v1(127.4,65.47)
  Top w0.508: R14.2 118.64,83.25 119.44,82.45 125.67,82.45 J5.3
  Bottom w0.152: J5.3 127.4,78.16 v1(127.4,65.47)
  Bottom w0.508: D11.1 128.67,79.45
Net-(D46-Pad1): length 27.2
  Top w0.508: J5.5 124.24,81.34 119.46,81.34 117.56,79.44 R13.2
  Bottom w0.152: U8.29 117.24,69.27 117.24,78.17 R13.2
  Bottom w0.508: D10.1 126.13,79.45
Net-(D47-Pad1): length 25.1
  Top w0.152: v1(117.92,78.09) 122.25,78.09 J5.7
  Bottom w0.152: U8.27 117.49,64.44 117.49,68.08 117.89,68.48 117.89,78.06 v1(117.92,78.09)
  Bottom w0.508: D9.1 123.59,79.45
Net-(D48-Pad1): length 35
  Top w0.152: v1(114.7,69.66) v1(118.57,69.66)
  Bottom w0.152: J5.9 118.57,76.95 v1(118.57,69.66) ; v1(114.7,69.66) 114.7,54.05 U8.19
  Bottom w0.508: D8.1 121.05,79.45
Net-(D49-Pad2): length 7.2
  Top w0.152: R21.2 133.62,45.28 D4.2
Net-(D50-Pad1): length 19.1
  Top w0.152: J5.8 123.6,74.62 121.56,72.58 116.22,72.58 113.44,69.8 U8.31
  Bottom w0.508: J5.8 123.6,73.97
Net-(D51-Pad1): length 29.2
  Top w0.152: v1(125.11,60.39) v1(120.29,60.39)
  Bottom w0.152: v1(125.11,60.39) 125.11,72.95 D13.1 ; v1(120.29,60.39) 119.02,61.66 118,61.66 117.24,60.9 117.24,59.11 U8.23
  Bottom w0.508: D13.1 126.13,76.89
Net-(D52-Pad1): length 30.6
  Top w0.152: U8.25 116.99,61.4 119.32,61.4 119.58,61.66 v1(130.19,61.66)
  Bottom w0.152: v1(130.19,61.66) 130.19,72.44 D15.1
  Bottom w0.508: J5.4 128.68,73.97
Net-(D53-Pad1): length 28.1
  Top w0.152: U8.26 v1(132.23,62.93)
  Bottom w0.152: v1(132.23,62.93) 132.23,72.95 D14.1
  Bottom w0.508: J5.2 131.22,73.97
Net-(J2-Pad1): length 12.5
  Top w0.152: R12.2 v1(91.84,73.09)
  Bottom w0.152: J4.1 91.84,75.63 v1(91.84,73.09) 91.84,70.54 U5.27
Net-(J3-Pad1): length 5.7
  Bottom w0.152: 29.6,17.85 29.6,23.54
Net-(J6-Pad1): length 32.1
  Top w0.508: 120.59,13.83 124.66,13.83 125.88,15.05 J6.1 ; C13.1 117.09,10.48 114.45,10.48 112.79,12.13 D2.2
  Top w1.016: J6.1 130.96,12.4 130.96,9.97 131.34,9.59 U11.3
Net-(P1-PadA5): length 6.7
  Top w0.152: R22.2 136.65,16.95 136.65,18.68 137.03,19.06 138.65,19.06 139.16,19.57 P1.A5
Net-(R2-Pad1): length 15
  Bottom w0.152: R17.1 94,13.02 94,24.44 U10.4
Net-(R4-Pad2): length 11.4
  Top w0.152: v1(32.15,66.74) U3.3
  Bottom w0.152: R2.2 v1(32.15,66.74)
Net-(R6-Pad2): length 16.5
  Top w0.152: v1(52.47,61.66) U3.36
  Bottom w0.152: R4.2 v1(52.47,61.66)
Net-(R8-Pad1): length 7.4
  Bottom w0.152: R8.1 80.41,15.94 U6.6
Net-(R9-Pad1): length 14.5
  Bottom w0.152: R10.1 84.22,24.84 U6.3
Net-(R10-Pad2): length 21.8
  Top w0.152: R7.2 37.23,21.27 v1(28.09,21.27)
  Bottom w0.152: U1.24 28.09,29.65 v1(28.09,21.27)
Net-(R11-Pad1): length 14.5
  Bottom w0.152: R9.1 89.3,24.83 U6.12
Net-(R12-Pad2): length 10.7
  Bottom w0.152: U8.42 99.46,64.21 R16.2
Net-(R14-Pad2): length 11.2
  Bottom w0.152: U8.43 102,64.21 102,71.82 R15.2
Net-(R19-Pad2): length 72.1
  Top w0.152: v1(132.99,32.7) 132.99,31.38 ; R20.2 132.63,27.65 131.84,26.86 131.84,25.34 132.28,24.9 U12.14 ; v1(105.05,56.58) 119.02,56.58 120.29,57.85 v1(132.86,57.85)
  Bottom w0.152: U8.41 105.05,63.7 v1(105.05,56.58) ; v1(132.86,57.85) 132.48,57.47 132.48,33.85 132.99,33.34 v1(132.99,32.7)
Net-(R20-Pad2): length 1.7
  Top w0.152: U12.13 v1(132.73,25.97)
Net-(R21-Pad2): length 3.7
  Top w0.152: U12.9 134.83,23.25 135.02,23.43 135.02,24.19 134.36,24.86 R19.2
Net-(R23-Pad2): length 3.6
  Top w0.152: U12.8 135.38,22.8 v1(136.01,22.16)
  Bottom w0.508: R23.1 R25.2
Net-(U10-Pad11): length 29
  Top w0.152: X1.5 127.41,59.12 v1(109.62,59.12)
  Bottom w0.152: U8.11 109.62,51.49 v1(109.62,59.12)
Net-(U10-Pad17): length 57.3
  Top w0.152: 90.58,15.94 91.84,17.21 v1(113.18,17.21)
  Bottom w0.152: v1(113.18,17.21) 113.18,47.43 U8.17
Net-(U10-Pad34): length 65.1
  Top w0.152: U8.34 109.63,64.2 98.95,64.2 97.68,62.93 v1(92.09,62.93)
  Bottom w0.152: v1(92.09,62.93) 92.35,62.68 92.35,20.25 U6.9
Net-(U10-Pad36): length 66.3
  Top w0.152: v1(132.23,61.66) 131.46,62.42 119.78,62.42 119.16,61.8 108.49,61.8 v1(108.35,61.66) ; v1(131.97,32.7) 131.34,32.07 131.34,25.21 131.83,24.71 U12.15
  Bottom w0.152: v1(108.35,61.66) 108.36,61.67 U8.36 ; v1(131.97,32.7) 131.97,60.52 132.23,60.77 v1(132.23,61.66)
Net-(U10-Pad38): length 69.9
  Top w0.152: U8.38 106.91,66.56 119.32,66.56 119.78,66.1 126.38,66.1 v1(126.51,66.23) ; v1(125.62,24.07) 126.44,23.25 U12.17
  Bottom w0.152: v1(126.51,66.23) 126.51,54.17 125.62,53.28 v1(125.62,24.07)
Net-(U10-Pad39): length 74.6
  Top w0.152: v1(124.73,23.43) 125.37,22.8 U12.18 ; v1(112.67,54.55) 113.18,54.04 v1(124.73,54.04) ; v1(112.16,69.66) 104.93,69.66 U8.39
  Bottom w0.152: v1(112.67,54.55) 112.16,55.06 v1(112.16,69.66) ; v1(124.73,23.43) v1(124.73,54.04)
Net-(U10-Pad40): length 80.3
  Top w0.152: v1(126.38,24.83) 127.52,23.7 U12.16 ; v1(131.46,65.85) 128.16,65.85 127.1,66.92 102.19,66.92 U8.40
  Bottom w0.152: v1(126.38,24.83) 126.38,43.25 131.46,48.33 v1(131.46,65.85)
Net-(U12-Pad1): length 64.6
  Top w0.508: D2.1 117.77,13.93 117.77,16.47 121.23,19.93
  Top w1.016: 137.43,11.11 135.4,13.15 135.4,15.81 134.13,17.08 124.18,17.08 C14.1 ; 137.43,11.11 139.44,13.12 142.56,13.12 144.44,14.99 Q1.3 ; 137.43,11.11 137.43,5.02 136.93,4.51 U11.1

## Copper pours and planes (outline as drawn; the poured copper is in the pictures)
GND on Top: 130.83,39.44 105.56,39.44 105.56,45.4 130.83,45.4
GND on Top: 78.12,4.64 62,4.64 62,11.75 78.12,11.75
GND on Top, Bottom: 149.98,0.11 -0.02,0.11 -0.02,90.02 149.98,90.02
